# KiCad board USB_panel.kicad_pcb (continued)
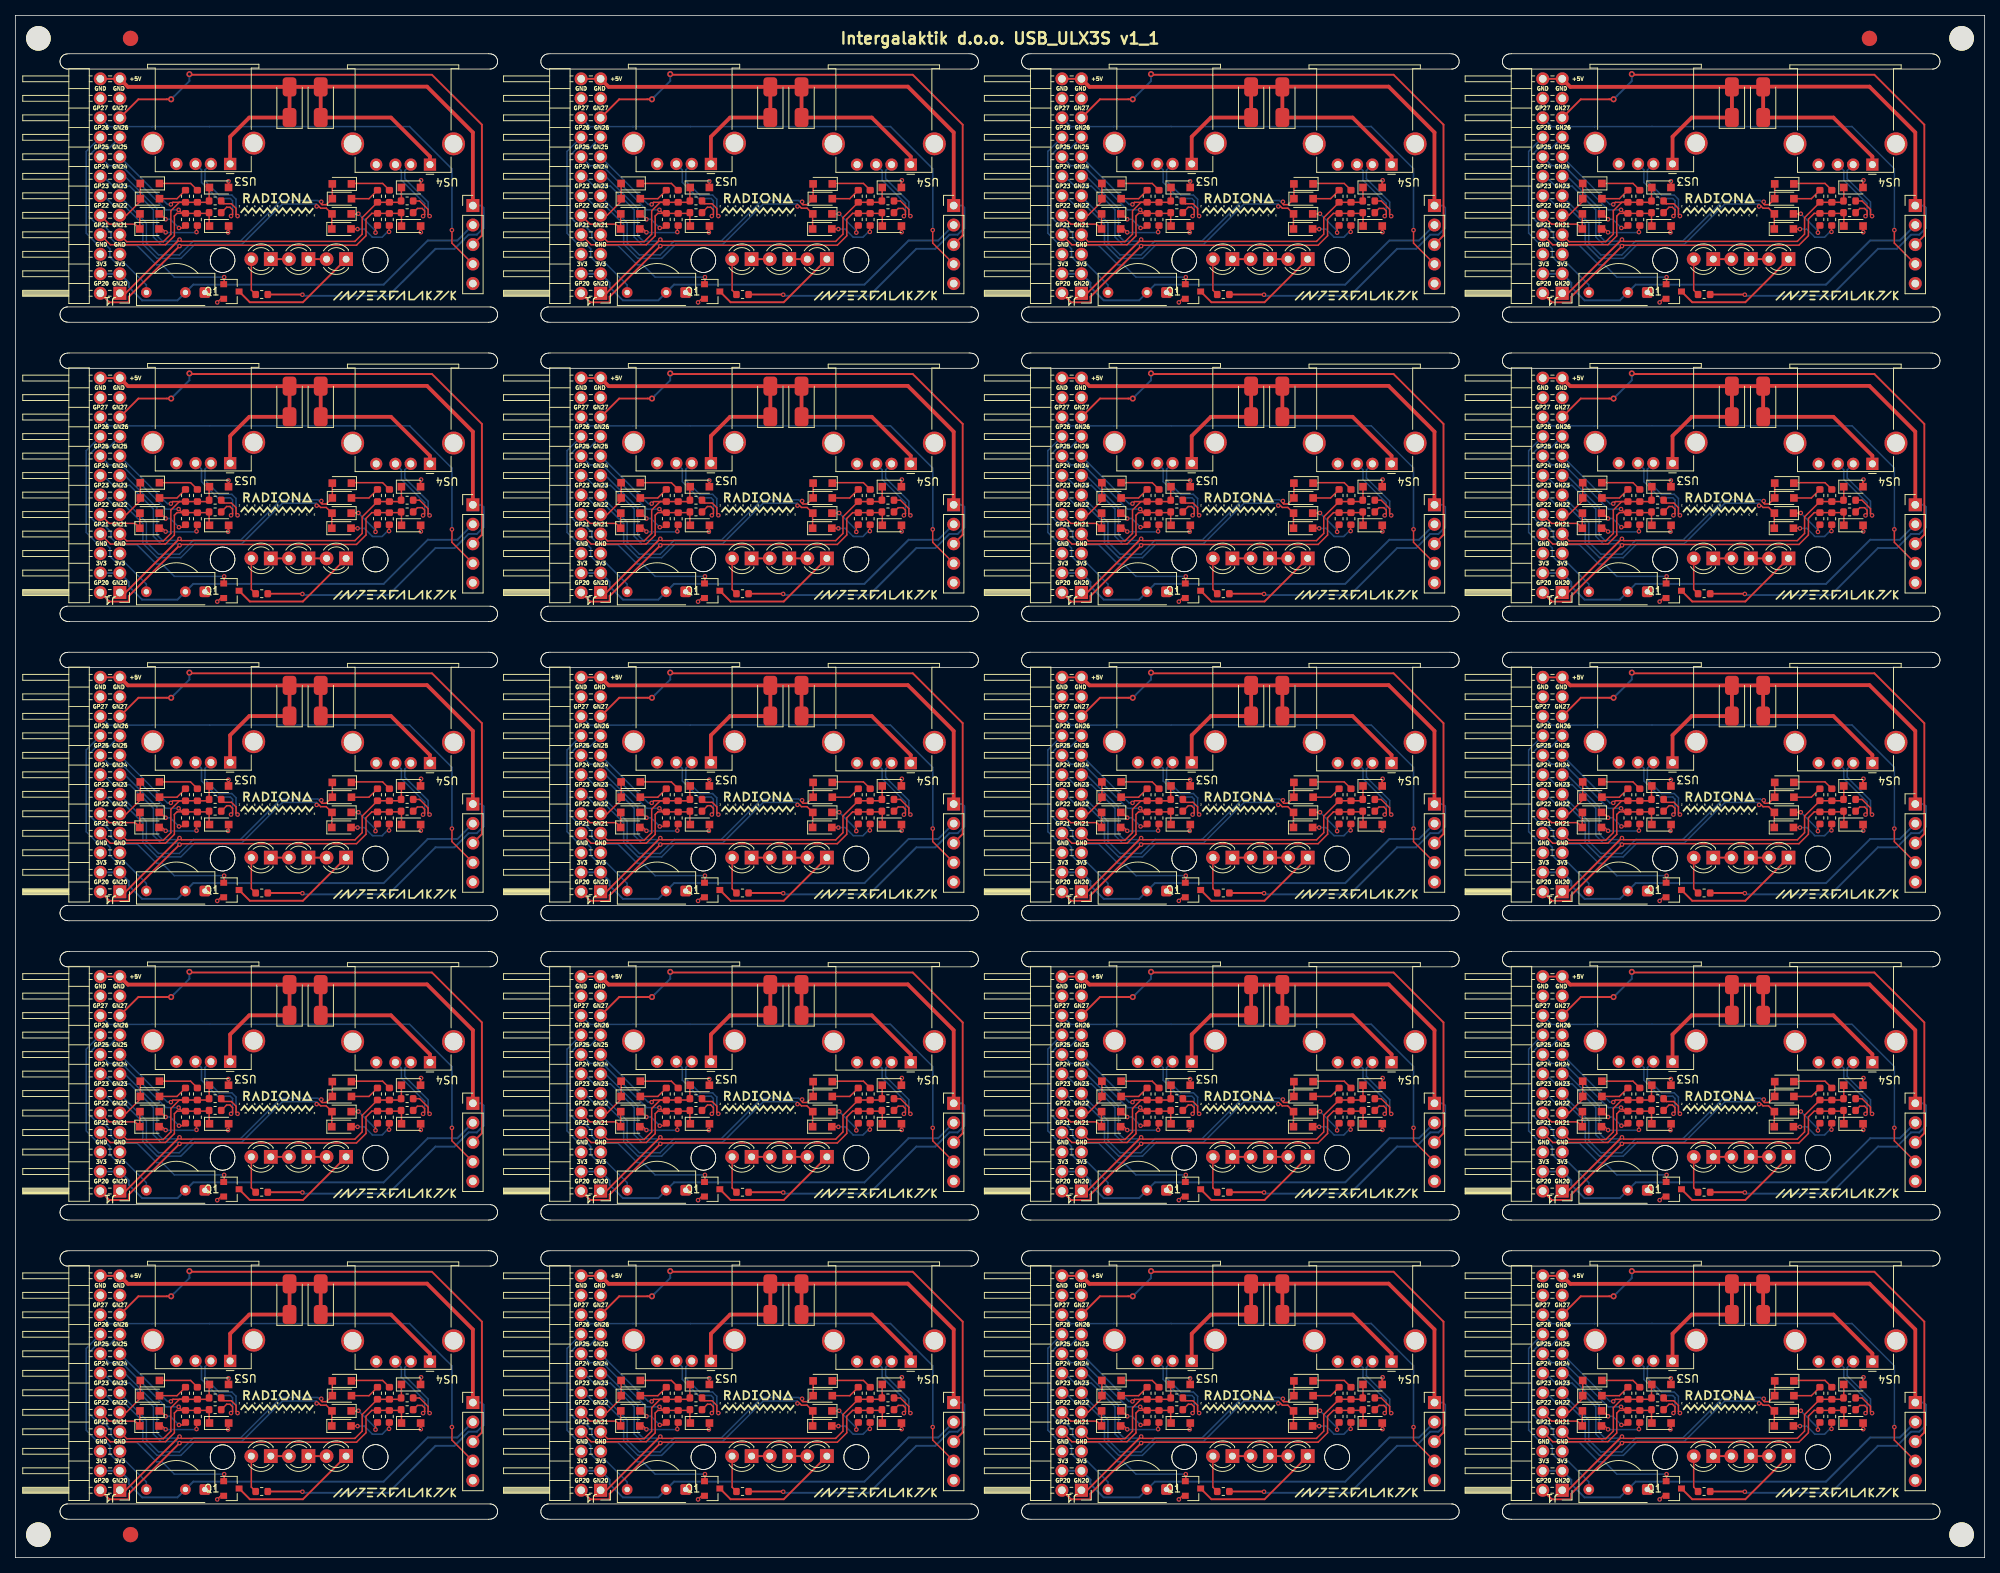
[diagram p0: board, top side]
## Routing (per net, layer and track width the routed paths; a pad name or vN(x,y) marks a point on that pad's centre or on a via; arc(x,y) is an arc through that point) (continued)
Board_3-/FPD2+: length 11
  Top w0.2: v1(240.92,174.78) 241.12,174.98 241.12,175.47 240.81,175.78 240.19,175.78 R12#20.2
  Bottom w0.2: US4#12.3 238.09,180.72 238.09,179.47 241.12,176.44 241.12,174.98 v1(240.92,174.78)
Board_3-/FPD2-: length 12.4
  Top w0.2: R11#5.2 240.47,176.76 241.58,175.66 241.58,174.98 v1(241.78,174.78) ; 238.62,181.68 239.07,182.13
  Bottom w0.2: US4#12.2 238.55,180.72 238.55,179.66 241.58,176.63 241.58,174.98 v1(241.78,174.78)
Board_3-GN26: length 35.1
  Top w0.2: Q1#13.1 215.02,165.97 v1(215.02,166.83)
  Bottom w0.2: v1(215.02,166.83) 208.53,166.83 206.92,168.44 206.2,168.44 203.68,170.96 201.2,170.96 200.28,171.87 200.28,172.61 199.4,173.5 198.66,173.5 197.46,174.7 197.46,182.7 198.42,183.66 200.04,183.66 201.43,185.05
Board_3-GN27: length 68.9
  Top w0.25: 201.43,187.59 203.85,190.01 v2(208.12,190.01) ; v2(210.5,193.28) 210.58,193.2 242.08,193.2 248.58,186.69 248.58,172.26 J2#20.3
  Bottom w0.25: v2(208.12,190.01) 210.5,192.38 v2(210.5,193.28)
Board_3-GND: length 4.8
  Top w0.2: Q1#13.2 214.59,164.01 v1(214.12,163.54) ; v1(215.58,179.32) 215.59,179.31 D7#11.2 ; D5#9.2 215.61,172.74 v1(215.53,172.66)
  Top w0.25: v1(240.66,179.45) 240.59,179.39 D14#10.2 ; D12#14.2 240.61,172.71 v1(240.63,172.69)
  Bottom w0.5: 231.5,184.84 231.86,184.84
Board_3-GP26: length 25.5
  Bottom w0.2: 198.89,185.05 197.06,183.22 197.06,172.56 198.52,171.1 199.56,171.1 200.14,170.52 200.14,169.48 201.06,168.56 202.15,168.56 204.89,165.82 U1#19.3
Board_3-GP27: length 62.1
  Top w0.2: J2#20.4 244.68,171.27 v1(244.68,172.96)
  Bottom w0.2: 198.89,187.59 200.04,186.44 205.64,186.44 205.65,186.45 239.17,186.45 244.68,180.94 v1(244.68,172.96)
Board_3-Net-(D1-K): length 4.3
  Top w0.2: D1.1 206.7,175.07 v1(207.4,174.37) ; v1(209.13,173.24) 209.66,173.24 R1#18.1
  Bottom w0.2: v1(207.4,174.37) 208,174.37 v1(209.13,173.24)
Board_3-Net-(D2-A): length 6
  Top w0.2: D2.2 206.96,173.11 v1(207.4,172.67) ; v1(211.42,172.7) 211.42,173.44 R2.1
  Bottom w0.2: v1(211.42,172.7) 211.36,172.64 207.43,172.64 v1(207.4,172.67)
Board_3-Net-(D3-K): length 5.3
  Top w0.2: R3#13.2 210.65,179.04 D3#16.1
Board_3-Net-(D4-A): length 3.8
  Top w0.2: R4#5.1 208.88,177.05 D4#3.2
Board_3-Net-(D8-K): length 5.4
  Top w0.2: v1(234.73,172.63) 234.73,173.31 R7#15.1 ; D8#17.1 232.48,175.07 v1(232.5,175.09)
  Bottom w0.2: v1(232.5,175.09) 234.73,172.86 v1(234.73,172.63)
Board_3-Net-(D9-A): length 6.5
  Top w0.2: D9#10.2 232.37,173.11 v1(232.39,173.09) ; R8#9.1 236.49,173.52 v1(236.49,172.73)
  Bottom w0.2: v1(236.49,172.73) 236.29,172.73 235.59,172.03 234.34,172.03 233.28,173.09 v1(232.39,173.09)
Board_3-Net-(D10-K): length 5.3
  Top w0.2: 231.6,179.04 235.66,179.04 R9#10.2
Board_3-Net-(D11-A): length 3.8
  Top w0.2: D11#7.2 233.88,177.05 R10.1
Board_3-Net-(D15-A): length 4.8
  Top w0.2: R13#2.2 218.56,165.14 D15#10.2
Board_3-Net-(D15-K): length 2.4
  Top w0.25: D15#10.1 D16#2.2
Board_3-Net-(D16-K): length 2.4
  Top w0.25: D16#2.1 D17#18.2
Board_3-Net-(D17-K): length 16.8
  Top w0.25: Q1#13.3 218.36,163.56 225.28,163.56 D17#18.1
Board_3-USB1_FPGA_D+: length 33.9
  Top w0.2: v1(209.09,175.6) 209.55,175.14 R1#18.2 ; R1#18.2 212.97,175.14 R6#6.1 213.06,173.54 D5#9.1 ; R1#18.2 208.88,175.14 208.53,174.8 208.53,172.21 207.38,171.05 200.19,171.05 198.89,172.35
  Bottom w0.2: 198.89,182.51 200.04,181.36 201.67,181.36 207.43,175.6 v1(209.09,175.6)
Board_3-USB1_FPGA_D-: length 29
  Top w0.2: 201.43,172.35 202.33,171.45 207.1,171.45 208.09,172.44 208.09,175.48 209.19,176.58 R4#5.2 ; R4#5.2 208.35,176.58 v1(208.08,176.31) ; R4#5.2 211.53,176.58 R3#13.1 212.88,176.58 R5#15.1 213.06,178.48 D7#11.1
  Bottom w0.2: v1(208.08,176.31) 207.63,176.31 201.43,182.51
Board_3-USB1_FPGA_PULL_D+: length 7.9
  Top w0.2: D1.2 204.04,175.05 D2.1 203.41,173.74 200.04,173.74 198.89,174.89
Board_3-USB1_FPGA_PULL_D-: length 5.8
  Top w0.2: D3#16.2 D4#3.1 204.1,176.7 202.29,174.89 201.43,174.89
Board_3-USB2_FPGA_D+: length 64.1
  Top w0.2: v1(209.21,170.88) 209.33,170.99 232.26,170.99 233.49,172.23 233.49,174.38 234.25,175.14 R7#15.2 237.97,175.14 R12#20.1 238.11,175.18 D12#14.1
  Top w0.25: v1(209.21,170.88) 202.61,164.28 202.61,163.56 200.07,163.56 J1#20.2
  Bottom w0.2: 198.89,179.97 199.34,179.52 199.73,179.52 200.56,178.69 202.72,178.69 205.81,175.61 205.81,172.06 206.79,171.08 209.01,171.08 v1(209.21,170.88)
Board_3-USB2_FPGA_D-: length 58.3
  Top w0.2: D14#10.1 238.09,176.79 R11#5.1 237.89,176.58 R10.2 232.99,174.59 232.99,172.44 232.05,171.49 209.44,171.49 v1(209.21,171.73)
  Top w0.25: v1(209.21,171.73) 209.18,171.73 202.18,164.73 J1#20.1
  Bottom w0.2: v1(209.21,171.73) 209.01,171.53 206.97,171.53 206.25,172.25 206.25,175.8 202.08,179.97 201.43,179.97
Board_3-USB2_FPGA_PULL_D+: length 40.7
  Top w0.2: D9#10.1 229.04,175.05 D8#17.2 228.32,175.82 227.59,175.82 227.35,176.05 v1(227.07,176.05)
  Bottom w0.2: v1(227.07,176.05) 227.07,176.33 227.04,176.37 222.6,176.37 217.34,171.11 211.2,171.11 209.37,169.28 206.29,169.28 204.44,171.13 204.44,173.71 201.98,176.16 200.6,176.16 199.33,177.43 J1#20.12
Board_3-USB2_FPGA_PULL_D-: length 38.1
  Top w0.2: 229.1,179.04 D11#7.1 228.32,176.27 227.77,176.27 227.67,176.37 v1(227.67,176.65)
  Bottom w0.2: v1(227.67,176.65) 227.39,176.65 227.22,176.82 222.42,176.82 217.16,171.56 211.02,171.56 209.19,169.73 206.47,169.73 204.88,171.32 204.88,173.91 201.43,177.36 J1#20.11
Board_4-+3V3: length 54.3
  Bottom w0.25: J2.2 57.56,132.62 53.7,132.62 47.95,126.87 23.17,126.87 U1#14.2 21.11,124.82 16.5,124.82 14.78,126.55 14.78,127.11 J1#12.3 J1#12.4
Board_4-+5V: length 134.7
  Top w0.2: D13#4.2 39.81,152.59
  Top w0.25: 11.06,153.68 13.6,153.68 ; v1(37.38,125.55) 37.35,125.58 R13#17.1
  Top w0.5: 13.6,153.68 14.65,152.63 D6#4.2 ; D6#4.2 D13#4.2 ; D6#4.2 D6#4.1 30.46,148.63 27.97,146.14 US3#20.1 ; D13#4.2 39.8,152.66 53.61,152.66 59.58,146.7 J2.1 ; D13#4.2 D13#4.1 48.91,148.63 53.99,143.56 US4#16.1
  Bottom w0.25: v1(37.38,125.55) 37.52,125.41 48.59,125.41 54.71,131.53 57.19,131.53 58.4,132.75 58.4,132.76 59.02,133.37 60.09,133.37 60.97,134.25 60.97,136.88 60.68,137.17 J2.1
Board_4-/FPD1+: length 12.6
  Top w0.2: v1(28.08,135.8) 28.28,136 28.28,136.61 27.94,136.95 27.52,136.95 R6#11.2
  Bottom w0.2: US3#20.3 24.24,141.82 24.24,140.18 26.34,138.09 28,138.09 28.28,137.8 28.28,136 v1(28.08,135.8)
Board_4-/FPD1-: length 13.2
  Top w0.2: R5#14.2 27.17,137.4 28.13,137.4 28.74,136.8 28.74,136 v1(28.93,135.8)
  Bottom w0.2: US3#20.2 24.69,141.82 24.69,140.37 26.52,138.54 28.18,138.54 28.74,137.99 28.74,136 v1(28.93,135.8)
Board_4-/FPD2+: length 11
  Top w0.2: v1(53.09,135.79) 53.29,135.99 53.29,136.48 52.98,136.79 52.36,136.79 R12#18.2
  Bottom w0.2: v1(53.09,135.79) 53.29,135.99 53.29,137.45 50.26,140.48 50.26,141.73 US4#16.3
Board_4-/FPD2-: length 12.4
  Top w0.2: 50.79,142.69 51.24,143.14 ; v1(53.95,135.79) 53.75,135.99 53.75,136.67 52.64,137.77 R11#11.2
  Bottom w0.2: v1(53.95,135.79) 53.75,135.99 53.75,137.64 50.72,140.67 50.72,141.73 US4#16.2
Board_4-GN26: length 35.1
  Top w0.2: Q1#17.1 27.19,126.98 v1(27.19,127.84)
  Bottom w0.2: 13.6,146.06 12.21,144.67 10.59,144.67 9.63,143.71 9.63,135.71 10.83,134.51 11.57,134.51 12.45,133.62 12.45,132.89 13.37,131.97 15.85,131.97 18.37,129.45 19.09,129.45 20.7,127.84 v1(27.19,127.84)
Board_4-GN27: length 68.9
  Top w0.25: v2(22.67,154.29) 22.75,154.21 54.25,154.21 60.75,147.7 60.75,133.27 J2.3 ; v2(20.29,151.02) 16.02,151.02 J1#12.19
  Bottom w0.25: v2(20.29,151.02) 22.67,153.4 v2(22.67,154.29)
Board_4-GND: length 4.8
  Top w0.2: D7#2.2 27.76,140.32 v1(27.75,140.33) ; v1(27.7,133.67) 27.78,133.75 D5#3.2 ; v1(26.29,124.55) 26.76,125.02 Q1#17.2
  Top w0.25: D14#11.2 52.77,140.4 v1(52.83,140.46) ; D12.2 52.78,133.73 v1(52.8,133.7)
  Bottom w0.5: 43.67,145.85 44.03,145.85
Board_4-GP26: length 25.5
  Bottom w0.2: 11.06,146.06 9.23,144.23 9.23,133.57 10.69,132.11 11.73,132.11 12.31,131.53 12.31,130.49 13.23,129.57 14.32,129.57 17.06,126.83 U1#14.3
Board_4-GP27: length 62.1
  Top w0.2: J2.4 56.85,132.28 v1(56.85,133.97)
  Bottom w0.2: J1#12.20 12.21,147.45 17.81,147.45 17.82,147.46 51.34,147.46 56.85,141.95 v1(56.85,133.97)
Board_4-Net-(D1-K): length 4.3
  Top w0.2: v1(21.3,134.25) 21.83,134.25 R1#20.1 ; D1#12.1 18.87,136.08 v1(19.57,135.38)
  Bottom w0.2: v1(21.3,134.25) 20.17,135.38 v1(19.57,135.38)
Board_4-Net-(D2-A): length 6
  Top w0.2: v1(19.57,133.68) 19.13,134.12 D2#10.2 ; R2#20.1 23.59,134.45 v1(23.59,133.71)
  Bottom w0.2: v1(23.59,133.71) 23.53,133.65 19.6,133.65 v1(19.57,133.68)
Board_4-Net-(D3-K): length 5.3
  Top w0.2: R3#15.2 22.82,140.05 D3#4.1
Board_4-Net-(D4-A): length 3.8
  Top w0.2: D4#9.2 21.05,138.06 R4#15.1
Board_4-Net-(D8-K): length 5.4
  Top w0.2: R7#16.1 46.9,134.32 v1(46.9,133.64) ; D8#7.1 44.65,136.08 v1(44.67,136.1)
  Bottom w0.2: v1(44.67,136.1) 46.9,133.87 v1(46.9,133.64)
Board_4-Net-(D9-A): length 6.5
  Top w0.2: v1(48.66,133.74) 48.66,134.53 R8#20.1 ; v1(44.56,134.1) 44.54,134.12 D9#20.2
  Bottom w0.2: v1(44.56,134.1) 45.45,134.1 46.51,133.04 47.76,133.04 48.46,133.74 v1(48.66,133.74)
Board_4-Net-(D10-K): length 5.3
  Top w0.2: 43.77,140.05 47.83,140.05 R9#4.2
Board_4-Net-(D11-A): length 3.8
  Top w0.2: R10#2.1 46.05,138.06 D11.2
Board_4-Net-(D15-A): length 4.8
  Top w0.2: R13#17.2 30.73,126.15 D15#5.2
Board_4-Net-(D15-K): length 2.4
  Top w0.25: D15#5.1 D16#11.2
Board_4-Net-(D16-K): length 2.4
  Top w0.25: D16#11.1 D17#17.2
Board_4-Net-(D17-K): length 16.8
  Top w0.25: Q1#17.3 30.53,124.57 37.45,124.57 D17#17.1
Board_4-USB1_FPGA_D+: length 33.9
  Top w0.2: R1#20.2 21.72,136.15 v1(21.26,136.61) ; R1#20.2 25.14,136.15 R6#11.1 25.23,134.55 D5#3.1 ; R1#20.2 21.05,136.15 20.71,135.81 20.71,133.22 19.55,132.06 12.36,132.06 J1#12.8
  Bottom w0.2: J1#12.16 12.21,142.37 13.84,142.37 19.6,136.61 v1(21.26,136.61)
Board_4-USB1_FPGA_D-: length 29
  Top w0.2: R4#15.2 20.52,137.6 v1(20.25,137.32) ; R4#15.2 23.7,137.6 R3#15.1 25.05,137.59 R5#14.1 25.23,139.49 D7#2.1 ; R4#15.2 21.36,137.6 20.25,136.49 20.25,133.45 19.27,132.46 14.5,132.46 J1#12.7
  Bottom w0.2: v1(20.25,137.32) 19.8,137.32 J1#12.15
Board_4-USB1_FPGA_PULL_D+: length 7.9
  Top w0.2: 11.06,135.9 12.21,134.75 15.58,134.75 D2#10.1 16.21,136.06 D1#12.2
Board_4-USB1_FPGA_PULL_D-: length 5.8
  Top w0.2: 13.6,135.9 14.46,135.9 16.27,137.71 D4#9.1 D3#4.2
Board_4-USB2_FPGA_D+: length 64.1
  Top w0.2: v1(21.38,131.89) 21.5,132.01 44.43,132.01 45.66,133.24 45.66,135.39 46.42,136.15 R7#16.2 50.14,136.15 R12#18.1 50.28,136.19 D12.1
  Top w0.25: J1#12.2 12.24,124.57 14.78,124.57 14.78,125.29 v1(21.38,131.89)
  Bottom w0.2: 11.06,140.98 11.51,140.53 11.9,140.53 12.73,139.7 14.89,139.7 17.97,136.62 17.97,133.07 18.96,132.09 21.18,132.09 v1(21.38,131.89)
Board_4-USB2_FPGA_D-: length 58.3
  Top w0.2: v1(21.38,132.74) 21.61,132.51 44.22,132.51 45.16,133.45 45.16,135.6 R10#2.2 50.06,137.6 R11#11.1 50.27,137.81 D14#11.1
  Top w0.25: J1#12.1 14.35,125.74 21.35,132.74 v1(21.38,132.74)
  Bottom w0.2: v1(21.38,132.74) 21.18,132.54 19.14,132.54 18.43,133.26 18.43,136.81 14.25,140.98 13.6,140.98
Board_4-USB2_FPGA_PULL_D+: length 40.7
  Top w0.2: v1(39.24,137.06) 39.52,137.06 39.76,136.83 40.49,136.83 D8#7.2 41.21,136.06 D9#20.1
  Bottom w0.2: v1(39.24,137.06) 39.24,137.35 39.21,137.38 34.77,137.38 29.51,132.12 23.37,132.12 21.54,130.29 18.46,130.29 16.61,132.14 16.61,134.72 14.15,137.17 12.77,137.17 11.5,138.44 J1#12.12
Board_4-USB2_FPGA_PULL_D-: length 38.1
  Top w0.2: v1(39.84,137.66) 39.84,137.38 39.94,137.28 40.49,137.28 D11.1 41.27,140.05
  Bottom w0.2: J1#12.11 13.6,138.37 17.06,134.92 17.06,132.33 18.64,130.74 21.36,130.74 23.19,132.57 29.33,132.57 34.59,137.83 39.39,137.83 39.56,137.66 v1(39.84,137.66)
Board_5-+3V3: length 54.3
  Bottom w0.25: J1#11.4 J1#11.3 77.39,127.11 77.39,126.55 79.12,124.82 83.73,124.82 U1#5.2 85.78,126.87 110.56,126.87 116.31,132.62 120.18,132.62 J2#19.2
Board_5-+5V: length 134.7
  Top w0.2: D13#5.2 102.42,152.59
  Top w0.25: v1(99.99,125.55) 99.96,125.58 R13#9.1 ; 73.67,153.68 76.21,153.68
  Top w0.5: D6#12.2 77.26,152.63 76.21,153.68 ; D6#12.2 D13#5.2 ; D6#12.2 D6#12.1 93.07,148.63 90.58,146.14 US3#12.1 ; D13#5.2 D13#5.1 111.52,148.63 116.6,143.56 US4#3.1 ; D13#5.2 102.41,152.66 116.22,152.66 122.19,146.7 J2#19.1
  Bottom w0.25: v1(99.99,125.55) 100.13,125.41 111.2,125.41 117.32,131.53 119.8,131.53 121.01,132.75 121.01,132.76 121.63,133.37 122.7,133.37 123.58,134.25 123.58,136.88 123.29,137.17 J2#19.1
Board_5-/FPD1+: length 12.6
  Top w0.2: R6#14.2 90.13,136.95 90.55,136.95 90.89,136.61 90.89,136 v1(90.7,135.8)
  Bottom w0.2: v1(90.7,135.8) 90.89,136 90.89,137.8 90.61,138.09 88.95,138.09 86.85,140.18 86.85,141.82 US3#12.3
Board_5-/FPD1-: length 13.2
  Top w0.2: R5#7.2 89.78,137.4 90.74,137.4 91.35,136.8 91.35,136 v1(91.55,135.8)
  Bottom w0.2: v1(91.55,135.8) 91.35,136 91.35,137.99 90.79,138.54 89.13,138.54 87.3,140.37 87.3,141.82 US3#12.2
Board_5-/FPD2+: length 11
  Top w0.2: R12#15.2 114.97,136.79 115.59,136.79 115.9,136.48 115.9,135.99 v1(115.71,135.79)
  Bottom w0.2: US4#3.3 112.87,141.73 112.87,140.48 115.9,137.45 115.9,135.99 v1(115.71,135.79)
Board_5-/FPD2-: length 12.4
  Top w0.2: 113.4,142.69 113.85,143.14 ; R11#16.2 115.25,137.77 116.36,136.67 116.36,135.99 v1(116.56,135.79)
  Bottom w0.2: v1(116.56,135.79) 116.36,135.99 116.36,137.64 113.33,140.67 113.33,141.73 US4#3.2
Board_5-GN26: length 35.1
  Top w0.2: v1(89.8,127.84) 89.8,126.98 Q1#8.1
  Bottom w0.2: v1(89.8,127.84) 83.31,127.84 81.7,129.45 80.98,129.45 78.46,131.97 75.98,131.97 75.06,132.89 75.06,133.62 74.18,134.51 73.44,134.51 72.24,135.71 72.24,143.71 73.2,144.67 74.82,144.67 76.21,146.06
Board_5-GN27: length 68.9
  Top w0.25: J2#19.3 123.36,133.27 123.36,147.7 116.86,154.21 85.36,154.21 v2(85.28,154.29) ; J1#11.19 78.63,151.02 v2(82.9,151.02)
  Bottom w0.25: v2(85.28,154.29) 85.28,153.4 v2(82.9,151.02)
Board_5-GND: length 4.8
  Top w0.2: D7#8.2 90.38,140.32 v1(90.36,140.33) ; D5#10.2 90.39,133.75 v1(90.31,133.67) ; Q1#8.2 89.37,125.02 v1(88.9,124.55)
  Top w0.25: D12#19.2 115.39,133.73 v1(115.41,133.7) ; v1(115.44,140.46) 115.38,140.4 D14#8.2
  Bottom w0.5: 106.28,145.85 106.64,145.85
Board_5-GP26: length 25.5
  Bottom w0.2: U1#5.3 79.67,126.83 76.93,129.57 75.84,129.57 74.92,130.49 74.92,131.53 74.34,132.11 73.3,132.11 71.84,133.57 71.84,144.23 73.67,146.06
Board_5-GP27: length 62.1
  Top w0.2: v1(119.46,133.97) 119.46,132.28 J2#19.4
  Bottom w0.2: v1(119.46,133.97) 119.46,141.95 113.95,147.46 80.43,147.46 80.42,147.45 74.82,147.45 J1#11.20
Board_5-Net-(D1-K): length 4.3
  Top w0.2: R1#4.1 84.44,134.25 v1(83.91,134.25) ; D1#4.1 81.48,136.08 v1(82.18,135.38)
  Bottom w0.2: v1(83.91,134.25) 82.78,135.38 v1(82.18,135.38)
Board_5-Net-(D2-A): length 6
  Top w0.2: v1(86.2,133.71) 86.2,134.45 R2#14.1 ; D2#16.2 81.74,134.12 v1(82.18,133.68)
  Bottom w0.2: v1(82.18,133.68) 82.21,133.65 86.14,133.65 v1(86.2,133.71)
Board_5-Net-(D3-K): length 5.3
  Top w0.2: D3#13.1 85.43,140.05 R3#7.2
Board_5-Net-(D4-A): length 3.8
  Top w0.2: D4#18.2 83.66,138.06 R4#17.1
Board_5-Net-(D8-K): length 5.4
  Top w0.2: v1(107.28,136.1) 107.26,136.08 D8#20.1 ; v1(109.51,133.64) 109.51,134.32 R7#17.1
  Bottom w0.2: v1(109.51,133.64) 109.51,133.87 v1(107.28,136.1)
Board_5-Net-(D9-A): length 6.5
  Top w0.2: R8#11.1 111.27,134.53 v1(111.27,133.74) ; D9#8.2 107.15,134.12 v1(107.17,134.1)
  Bottom w0.2: v1(107.17,134.1) 108.06,134.1 109.12,133.04 110.37,133.04 111.07,133.74 v1(111.27,133.74)
Board_5-Net-(D10-K): length 5.3
  Top w0.2: 106.38,140.05 110.44,140.05 R9#2.2
Board_5-Net-(D11-A): length 3.8
  Top w0.2: D11#11.2 108.66,138.06 R10#10.1
Board_5-Net-(D15-A): length 4.8
  Top w0.2: R13#9.2 93.34,126.15 D15#9.2
Board_5-Net-(D15-K): length 2.4
  Top w0.25: D15#9.1 D16#8.2
Board_5-Net-(D16-K): length 2.4
  Top w0.25: D16#8.1 D17#5.2
Board_5-Net-(D17-K): length 16.8
  Top w0.25: Q1#8.3 93.14,124.57 100.06,124.57 D17#5.1
Board_5-USB1_FPGA_D+: length 33.9
  Top w0.2: v1(83.87,136.61) 84.33,136.15 R1#4.2 ; D5#10.1 87.84,134.55 R6#14.1 87.75,136.15 R1#4.2 ; R1#4.2 83.66,136.15 83.31,135.81 83.31,133.22 82.16,132.06 74.97,132.06 J1#11.8
  Bottom w0.2: v1(83.87,136.61) 82.21,136.61 76.45,142.37 74.82,142.37 J1#11.16
Board_5-USB1_FPGA_D-: length 29
  Top w0.2: v1(82.86,137.32) 83.13,137.6 R4#17.2 ; J1#11.7 77.11,132.46 81.88,132.46 82.87,133.45 82.87,136.49 83.97,137.6 R4#17.2 ; R4#17.2 86.31,137.6 R3#7.1 87.66,137.59 R5#7.1 87.84,139.49 D7#8.1
  Bottom w0.2: J1#11.15 82.41,137.32 v1(82.86,137.32)
Board_5-USB1_FPGA_PULL_D+: length 7.9
  Top w0.2: 73.67,135.9 74.82,134.75 78.19,134.75 D2#16.1 78.82,136.06 D1#4.2
Board_5-USB1_FPGA_PULL_D-: length 5.8
  Top w0.2: 76.21,135.9 77.07,135.9 78.88,137.71 D4#18.1 D3#13.2
Board_5-USB2_FPGA_D+: length 64.1
  Top w0.2: v1(83.99,131.89) 84.11,132.01 107.04,132.01 108.27,133.24 108.27,135.39 109.03,136.15 R7#17.2 112.75,136.15 R12#15.1 112.89,136.19 D12#19.1
  Top w0.25: v1(83.99,131.89) 77.39,125.29 77.39,124.57 74.85,124.57 J1#11.2
  Bottom w0.2: v1(83.99,131.89) 83.79,132.09 81.57,132.09 80.59,133.07 80.59,136.62 77.5,139.7 75.34,139.7 74.51,140.53 74.12,140.53 73.67,140.98
Board_5-USB2_FPGA_D-: length 58.3
  Top w0.2: D14#8.1 112.88,137.81 R11#16.1 112.66,137.6 R10#10.2 107.77,135.6 107.77,133.45 106.83,132.51 84.22,132.51 v1(83.99,132.74)
  Top w0.25: J1#11.1 76.96,125.74 83.96,132.74 v1(83.99,132.74)
  Bottom w0.2: v1(83.99,132.74) 83.79,132.54 81.75,132.54 81.04,133.26 81.04,136.81 76.86,140.98 76.21,140.98
Board_5-USB2_FPGA_PULL_D+: length 40.7
  Top w0.2: D9#8.1 103.82,136.06 D8#20.2 103.1,136.83 102.37,136.83 102.13,137.06 v1(101.85,137.06)
  Bottom w0.2: v1(101.85,137.06) 101.85,137.35 101.82,137.38 97.38,137.38 92.12,132.12 85.98,132.12 84.15,130.29 81.07,130.29 79.22,132.14 79.22,134.72 76.76,137.17 75.38,137.17 74.11,138.44 J1#11.12
Board_5-USB2_FPGA_PULL_D-: length 38.1
  Top w0.2: 103.88,140.05 D11#11.1 103.1,137.28 102.55,137.28 102.45,137.38 v1(102.45,137.66)
  Bottom w0.2: v1(102.45,137.66) 102.17,137.66 102,137.83 97.2,137.83 91.94,132.57 85.8,132.57 83.97,130.74 81.25,130.74 79.67,132.33 79.67,134.92 76.21,138.37 J1#11.11
Board_6-+3V3: length 54.3
  Bottom w0.25: J2#6.2 182.78,132.62 178.93,132.62 173.18,126.87 148.38,126.87 U1#3.2 146.34,124.82 141.72,124.82 140,126.55 140,127.11 J1#10.3 J1#10.4
Board_6-+5V: length 134.7
  Top w0.2: D13#17.2 165.03,152.59
  Top w0.25: R13#10.1 162.57,125.58 v1(162.6,125.55) ; 136.28,153.68 138.82,153.68
  Top w0.5: D13#17.2 165.02,152.66 178.83,152.66 184.8,146.7 J2#6.1 ; D13#17.2 D13#17.1 174.13,148.63 179.21,143.56 US4#19.1 ; D13#17.2 D6#5.2 ; D6#5.2 D6#5.1 155.68,148.63 153.19,146.14 US3#4.1 ; D6#5.2 139.87,152.63 138.82,153.68
  Bottom w0.25: J2#6.1 185.9,137.17 186.19,136.88 186.19,134.25 185.31,133.37 184.24,133.37 183.62,132.76 183.62,132.75 182.41,131.53 179.93,131.53 173.81,125.41 162.74,125.41 v1(162.6,125.55)
Board_6-/FPD1+: length 12.6
  Top w0.2: v1(153.31,135.8) 153.5,136 153.5,136.61 153.16,136.95 152.74,136.95 R6.2
  Bottom w0.2: v1(153.31,135.8) 153.5,136 153.5,137.8 153.22,138.09 151.56,138.09 149.46,140.18 149.46,141.82 US3#4.3
Board_6-/FPD1-: length 13.2
  Top w0.2: R5#8.2 152.39,137.4 153.35,137.4 153.96,136.8 153.96,136 v1(154.16,135.8)
  Bottom w0.2: US3#4.2 149.91,141.82 149.91,140.37 151.74,138.54 153.4,138.54 153.96,137.99 153.96,136 v1(154.16,135.8)
Board_6-/FPD2+: length 11
  Top w0.2: v1(178.31,135.79) 178.51,135.99 178.51,136.48 178.2,136.79 177.58,136.79 R12#9.2
  Bottom w0.2: v1(178.31,135.79) 178.51,135.99 178.51,137.45 175.48,140.48 175.48,141.73 US4#19.3
Board_6-/FPD2-: length 12.4
  Top w0.2: v1(179.16,135.79) 178.97,135.99 178.97,136.67 177.86,137.77 R11#3.2 ; 176.01,142.69 176.46,143.14
  Bottom w0.2: v1(179.16,135.79) 178.97,135.99 178.97,137.64 175.94,140.67 175.94,141.73 US4#19.2
Board_6-GN26: length 35.1
  Top w0.2: Q1.1 152.41,126.98 v1(152.41,127.84)
  Bottom w0.2: 138.82,146.06 137.43,144.67 135.81,144.67 134.85,143.71 134.85,135.71 136.05,134.51 136.79,134.51 137.67,133.62 137.67,132.89 138.59,131.97 141.07,131.97 143.59,129.45 144.31,129.45 145.92,127.84 v1(152.41,127.84)
Board_6-GN27: length 68.9
  Top w0.25: v2(147.89,154.29) 147.97,154.21 179.47,154.21 185.97,147.7 185.97,133.27 J2#6.3 ; J1#10.19 141.24,151.02 v2(145.51,151.02)
  Bottom w0.25: v2(147.89,154.29) 147.89,153.4 v2(145.51,151.02)
Board_6-GND: length 4.8
  Top w0.2: Q1.2 151.98,125.02 v1(151.51,124.55) ; v1(152.92,133.67) 153,133.75 D5#7.2 ; v1(152.97,140.33) 152.99,140.32 D7#6.2
  Top w0.25: D14#7.2 177.99,140.4 v1(178.05,140.46) ; D12#17.2 178,133.73 v1(178.02,133.7)
  Bottom w0.5: 168.89,145.85 169.25,145.85
Board_6-GP26: length 25.5
  Bottom w0.2: U1#3.3 142.28,126.83 139.54,129.57 138.45,129.57 137.53,130.49 137.53,131.53 136.95,132.11 135.91,132.11 134.45,133.57 134.45,144.23 136.28,146.06
Board_6-GP27: length 62.1
  Top w0.2: J2#6.4 182.07,132.28 v1(182.07,133.97)
  Bottom w0.2: v1(182.07,133.97) 182.07,141.95 176.56,147.46 143.04,147.46 143.03,147.45 137.43,147.45 J1#10.20
Board_6-Net-(D1-K): length 4.3
  Top w0.2: v1(146.52,134.25) 147.05,134.25 R1#10.1 ; D1#13.1 144.09,136.08 v1(144.79,135.38)
  Bottom w0.2: v1(144.79,135.38) 145.39,135.38 v1(146.52,134.25)
Board_6-Net-(D2-A): length 6
  Top w0.2: v1(148.81,133.71) 148.81,134.45 R2#11.1 ; v1(144.79,133.68) 144.35,134.12 D2#14.2
  Bottom w0.2: v1(144.79,133.68) 144.82,133.65 148.75,133.65 v1(148.81,133.71)
Board_6-Net-(D3-K): length 5.3
  Top w0.2: R3#14.2 148.04,140.05 D3#3.1
Board_6-Net-(D4-A): length 3.8
  Top w0.2: D4#12.2 146.27,138.06 R4#7.1
Board_6-Net-(D8-K): length 5.4
  Top w0.2: R7#20.1 172.12,134.32 v1(172.12,133.64) ; v1(169.89,136.1) 169.87,136.08 D8#19.1
  Bottom w0.2: v1(172.12,133.64) 172.12,133.87 v1(169.89,136.1)
Board_6-Net-(D9-A): length 6.5
  Top w0.2: D9.2 169.76,134.12 v1(169.78,134.1) ; v1(173.88,133.74) 173.88,134.53 R8#7.1
  Bottom w0.2: v1(169.78,134.1) 170.67,134.1 171.73,133.04 172.98,133.04 173.68,133.74 v1(173.88,133.74)
Board_6-Net-(D10-K): length 5.3
  Top w0.2: 168.99,140.05 173.05,140.05 R9#6.2
Board_6-Net-(D11-A): length 3.8
  Top w0.2: R10#15.1 171.27,138.06 D11#13.2
Board_6-Net-(D15-A): length 4.8
  Top w0.2: R13#10.2 155.95,126.15 D15#16.2
Board_6-Net-(D15-K): length 2.4
  Top w0.25: D15#16.1 D16#3.2
Board_6-Net-(D16-K): length 2.4
  Top w0.25: D16#3.1 D17#16.2
Board_6-Net-(D17-K): length 16.8
  Top w0.25: D17#16.1 162.67,124.57 155.75,124.57 Q1.3
Board_6-USB1_FPGA_D+: length 33.9
  Top w0.2: v1(146.48,136.61) 146.94,136.15 R1#10.2 ; D5#7.1 150.45,134.55 R6.1 150.36,136.15 R1#10.2 ; R1#10.2 146.27,136.15 145.93,135.81 145.93,133.22 144.77,132.06 137.58,132.06 J1#10.8
  Bottom w0.2: J1#10.16 137.43,142.37 139.06,142.37 144.82,136.61 v1(146.48,136.61)
Board_6-USB1_FPGA_D-: length 29
  Top w0.2: R4#7.2 145.74,137.6 v1(145.47,137.32) ; R4#7.2 146.58,137.6 145.47,136.49 145.47,133.45 144.49,132.46 139.72,132.46 J1#10.7 ; R4#7.2 148.92,137.6 R3#14.1 150.27,137.59 R5#8.1 150.45,139.49 D7#6.1
  Bottom w0.2: J1#10.15 145.02,137.32 v1(145.47,137.32)
Board_6-USB1_FPGA_PULL_D+: length 7.9
  Top w0.2: 136.28,135.9 137.43,134.75 140.8,134.75 D2#14.1 141.43,136.06 D1#13.2
Board_6-USB1_FPGA_PULL_D-: length 5.8
  Top w0.2: D3#3.2 D4#12.1 141.49,137.71 139.68,135.9 138.82,135.9
Board_6-USB2_FPGA_D+: length 64.1
  Top w0.2: v1(146.6,131.89) 146.72,132.01 169.65,132.01 170.88,133.24 170.88,135.39 171.64,136.15 R7#20.2 175.36,136.15 R12#9.1 175.5,136.19 D12#17.1
  Top w0.25: v1(146.6,131.89) 140,125.29 140,124.57 137.46,124.57 J1#10.2
  Bottom w0.2: v1(146.6,131.89) 146.4,132.09 144.18,132.09 143.19,133.07 143.19,136.62 140.11,139.7 137.95,139.7 137.12,140.53 136.73,140.53 136.28,140.98
Board_6-USB2_FPGA_D-: length 58.3
  Top w0.2: D14#7.1 175.49,137.81 R11#3.1 175.28,137.6 R10#15.2 170.38,135.6 170.38,133.45 169.44,132.51 146.83,132.51 v1(146.6,132.74)
  Top w0.25: J1#10.1 139.57,125.74 146.57,132.74 v1(146.6,132.74)
  Bottom w0.2: 138.82,140.98 139.47,140.98 143.65,136.81 143.65,133.26 144.36,132.54 146.4,132.54 v1(146.6,132.74)
Board_6-USB2_FPGA_PULL_D+: length 40.7
  Top w0.2: v1(164.46,137.06) 164.74,137.06 164.98,136.83 165.71,136.83 D8#19.2 166.43,136.06 D9.1
  Bottom w0.2: v1(164.46,137.06) 164.46,137.35 164.43,137.38 159.99,137.38 154.73,132.12 148.59,132.12 146.76,130.29 143.68,130.29 141.83,132.14 141.83,134.72 139.37,137.17 137.99,137.17 136.72,138.44 J1#10.12
Board_6-USB2_FPGA_PULL_D-: length 38.1
  Top w0.2: v1(165.06,137.66) 165.06,137.38 165.16,137.28 165.71,137.28 D11#13.1 166.49,140.05
  Bottom w0.2: J1#10.11 138.82,138.37 142.28,134.92 142.28,132.33 143.86,130.74 146.58,130.74 148.41,132.57 154.55,132.57 159.81,137.83 164.61,137.83 164.78,137.66 v1(165.06,137.66)
Board_7-+3V3: length 54.3
  Bottom w0.25: J2#8.2 245.4,132.62 241.53,132.62 235.78,126.87 211,126.87 U1.2 208.94,124.82 204.34,124.82 202.61,126.55 202.61,127.11 J1.3 J1.4
Board_7-+5V: length 134.7
  Top w0.2: D13#18.2 227.64,152.59
  Top w0.25: v1(225.21,125.55) 225.18,125.58 R13#18.1 ; 198.89,153.68 201.43,153.68
  Top w0.5: D13#18.2 227.63,152.66 241.44,152.66 247.41,146.7 J2#8.1 ; D13#18.2 D13#18.1 236.74,148.63 241.82,143.56 US4#11.1 ; D13#18.2 D6#15.2 ; D6#15.2 202.48,152.63 201.43,153.68 ; D6#15.2 D6#15.1 218.29,148.63 215.8,146.14 US3#18.1